# KiCad board untitled.kicad_pcb (continued)
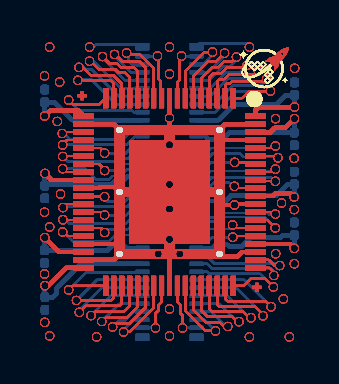
[diagram p0: board, top side]
## Routing (per net, layer and track width the routed paths; a pad name or vN(x,y) marks a point on that pad's centre or on a via; arc(x,y) is an arc through that point) (continued)
/PIN 14: length 139.8
  Top w0.1: v1(3.01,6.65) 3.01,6.7 ; v1(3.01,6.65) 3.01,6.7 ; v1(3.01,6.65) 3.01,6.7 ; v1(3.01,6.65) 3.01,6.7 ; v1(3.01,6.65) 3.01,6.7 ; v1(3.01,6.65) 3.01,6.7 ; v1(3.01,6.65) 3.01,6.7 ; v1(3.01,6.65) 3.01,6.7 ; v1(3.01,6.65) 3.01,6.7 ; v1(3.01,6.65) 3.01,6.7 ; v1(3.01,6.65) 3.01,6.7 ; v1(3.01,6.65) 3.01,6.7 ; v1(3.01,6.65) 3.01,6.7 ; v1(3.01,6.65) 3.01,6.7 ; v1(3.01,6.65) 3.01,6.7 ; v1(3.01,6.65) 3.01,6.7 ; v1(3.01,6.65) 3.01,6.7 ; v1(3.01,6.65) 3.01,6.7 ; v1(3.01,6.65) 3.01,6.7 ; v1(3.01,6.65) 3.01,6.7 ; v1(3.01,6.65) 3.01,6.7 ; v1(3.01,6.65) 3.01,6.7 ; v1(3.01,6.65) 3.01,6.7 ; v1(3.01,6.65) 3.01,6.7 ; v1(3.01,6.65) 3.01,6.7 ; v1(3.01,6.65) 3.01,6.7 ; v1(3.01,6.65) 3.01,6.7 ; v1(3.01,6.65) 3.01,6.7 ; v1(3.01,6.65) 3.01,6.7 ; v1(3.01,6.65) 3.01,6.7 ; v1(3.01,6.65) 3.01,6.7 ; v1(3.01,6.65) 3.01,6.7 ; v1(3.01,6.65) 3.01,6.7 ; v1(3.01,6.65) 3.01,6.7 ; v1(3.01,6.65) 3.01,6.7 ; v1(3.01,6.65) 3.01,6.7 ; v1(3.01,6.65) 3.01,6.7 ; v1(3.01,6.65) 3.01,6.7 ; v1(3.01,6.65) 3.01,6.7 ; v1(3.01,6.65) 3.01,6.7 ; v1(3.01,6.65) 3.01,6.7 ; v1(3.01,6.65) 3.01,6.7 ; 3.01,6.7 2.73,6.98 ; 3.01,6.7 2.73,6.98 ; 3.01,6.7 2.73,6.98 ; 3.01,6.7 2.73,6.98 ; 3.01,6.7 2.73,6.98 ; 3.01,6.7 2.73,6.98 ; 3.01,6.7 2.73,6.98 ; 3.01,6.7 2.73,6.98 ; 3.01,6.7 2.73,6.98 ; 3.01,6.7 2.73,6.98 ; 3.01,6.7 2.73,6.98 ; 3.01,6.7 2.73,6.98 ; 3.01,6.7 2.73,6.98 ; 3.01,6.7 2.73,6.98 ; 3.01,6.7 2.73,6.98 ; 3.01,6.7 2.73,6.98 ; 3.01,6.7 2.73,6.98 ; 3.01,6.7 2.73,6.98 ; 3.01,6.7 2.73,6.98 ; 3.01,6.7 2.73,6.98 ; 3.01,6.7 2.73,6.98 ; 3.01,6.7 2.73,6.98 ; 3.01,6.7 2.73,6.98 ; 3.01,6.7 2.73,6.98 ; 3.01,6.7 2.73,6.98 ; 3.01,6.7 2.73,6.98 ; 3.01,6.7 2.73,6.98 ; 3.01,6.7 2.73,6.98 ; 3.01,6.7 2.73,6.98 ; 3.01,6.7 2.73,6.98 ; 3.01,6.7 2.73,6.98 ; 3.01,6.7 2.73,6.98 ; 3.01,6.7 2.73,6.98 ; 3.01,6.7 2.73,6.98 ; 3.01,6.7 2.73,6.98 ; 3.01,6.7 2.73,6.98 ; 3.01,6.7 2.73,6.98 ; 3.01,6.7 2.73,6.98 ; 3.01,6.7 2.73,6.98 ; 3.01,6.7 2.73,6.98 ; 3.01,6.7 2.73,6.98 ; 3.01,6.7 2.73,6.98 ; 2.73,6.98 J158.24 ; 2.73,6.98 J158.24 ; 2.73,6.98 J158.24 ; 2.73,6.98 J158.24 ; 2.73,6.98 J158.24 ; 2.73,6.98 J158.24 ; 2.73,6.98 J158.24 ; 2.73,6.98 J158.24 ; 2.73,6.98 J158.24 ; 2.73,6.98 J158.24 ; 2.73,6.98 J158.24 ; 2.73,6.98 J158.24 ; 2.73,6.98 J158.24 ; 2.73,6.98 J158.24 ; 2.73,6.98 J158.24 ; 2.73,6.98 J158.24 ; 2.73,6.98 J158.24 ; 2.73,6.98 J158.24 ; 2.73,6.98 J158.24 ; 2.73,6.98 J158.24 ; 2.73,6.98 J158.24 ; 2.73,6.98 J158.24 ; 2.73,6.98 J158.24 ; 2.73,6.98 J158.24 ; 2.73,6.98 J158.24 ; 2.73,6.98 J158.24 ; 2.73,6.98 J158.24 ; 2.73,6.98 J158.24 ; 2.73,6.98 J158.24 ; 2.73,6.98 J158.24 ; 2.73,6.98 J158.24 ; 2.73,6.98 J158.24 ; 2.73,6.98 J158.24 ; 2.73,6.98 J158.24 ; 2.73,6.98 J158.24 ; 2.73,6.98 J158.24 ; 2.73,6.98 J158.24 ; 2.73,6.98 J158.24 ; 2.73,6.98 J158.24 ; 2.73,6.98 J158.24 ; 2.73,6.98 J158.24 ; 2.73,6.98 J158.24
  Bottom w0.1: 4.48,7.18 J173.57 ; 4.48,7.18 J173.57 ; 4.48,7.18 J173.57 ; 4.48,7.18 J173.57 ; 4.48,7.18 4.28,6.98 ; 4.48,7.18 J173.57 ; 4.48,7.18 4.28,6.98 ; 4.48,7.18 4.28,6.98 ; 4.48,7.18 4.28,6.98 ; 4.48,7.18 4.28,6.98 ; 4.48,7.18 J173.57 ; 4.48,7.18 J173.57 ; 4.48,7.18 4.28,6.98 ; 4.48,7.18 4.28,6.98 ; 4.48,7.18 4.28,6.98 ; 4.48,7.18 4.28,6.98 ; 4.48,7.18 J173.57 ; 4.48,7.18 J173.57 ; 4.48,7.18 4.28,6.98 ; 4.48,7.18 J173.57 ; 4.48,7.18 4.28,6.98 ; 4.48,7.18 J173.57 ; 4.48,7.18 J173.57 ; 4.48,7.18 J173.57 ; 4.48,7.18 4.28,6.98 ; 4.48,7.18 4.28,6.98 ; 4.48,7.18 4.28,6.98 ; 4.48,7.18 J173.57 ; 4.48,7.18 4.28,6.98 ; 4.48,7.18 4.28,6.98 ; 4.48,7.18 4.28,6.98 ; 4.48,7.18 J173.57 ; 4.48,7.18 J173.57 ; 4.48,7.18 4.28,6.98 ; 4.48,7.18 4.28,6.98 ; 4.48,7.18 4.28,6.98 ; 4.48,7.18 J173.57 ; 4.48,7.18 J173.57 ; 4.48,7.18 4.28,6.98 ; 4.48,7.18 J173.57 ; 4.48,7.18 4.28,6.98 ; 4.48,7.18 4.28,6.98 ; 4.48,7.18 4.28,6.98 ; 4.48,7.18 J173.57 ; 4.48,7.18 4.28,6.98 ; 4.48,7.18 4.28,6.98 ; 4.48,7.18 J173.57 ; 4.48,7.18 J173.57 ; 4.48,7.18 4.28,6.98 ; 4.48,7.18 J173.57 ; 4.48,7.18 4.28,6.98 ; 4.48,7.18 4.28,6.98 ; 4.48,7.18 4.28,6.98 ; 4.48,7.18 J173.57 ; 4.48,7.18 4.28,6.98 ; 4.48,7.18 4.28,6.98 ; 4.48,7.18 J173.57 ; 4.48,7.18 J173.57 ; 4.48,7.18 4.28,6.98 ; 4.48,7.18 4.28,6.98 ; 4.48,7.18 J173.57 ; 4.48,7.18 J173.57 ; 4.48,7.18 J173.57 ; 4.48,7.18 J173.57 ; 4.48,7.18 4.28,6.98 ; 4.48,7.18 4.28,6.98 ; 4.48,7.18 4.28,6.98 ; 4.48,7.18 J173.57 ; 4.48,7.18 4.28,6.98 ; 4.48,7.18 4.28,6.98 ; 4.48,7.18 J173.57 ; 4.48,7.18 J173.57 ; 4.48,7.18 J173.57 ; 4.48,7.18 4.28,6.98 ; 4.48,7.18 J173.57 ; 4.48,7.18 4.28,6.98 ; 4.48,7.18 J173.57 ; 4.48,7.18 4.28,6.98 ; 4.48,7.18 J173.57 ; 4.48,7.18 J173.57 ; 4.48,7.18 J173.57 ; 4.48,7.18 J173.57 ; 4.48,7.18 J173.57 ; 4.48,7.18 J173.57 ; 4.01,6.98 4.28,6.98 ; 4.01,6.98 3.68,6.65 ; 4.01,6.98 4.28,6.98 ; 4.01,6.98 3.68,6.65 ; 4.01,6.98 3.68,6.65 ; 4.01,6.98 3.68,6.65 ; 4.01,6.98 4.28,6.98 ; 4.01,6.98 3.68,6.65 ; 4.01,6.98 4.28,6.98 ; 4.01,6.98 3.68,6.65 ; 4.01,6.98 4.28,6.98 ; 4.01,6.98 3.68,6.65 ; 4.01,6.98 4.28,6.98 ; 4.01,6.98 3.68,6.65 ; 4.01,6.98 3.68,6.65 ; 4.01,6.98 3.68,6.65 ; 4.01,6.98 3.68,6.65 ; 4.01,6.98 4.28,6.98 ; 4.01,6.98 3.68,6.65 ; 4.01,6.98 3.68,6.65 ; 4.01,6.98 4.28,6.98 ; 4.01,6.98 4.28,6.98 ; 4.01,6.98 4.28,6.98 ; 4.01,6.98 3.68,6.65 ; 4.01,6.98 3.68,6.65 ; 4.01,6.98 3.68,6.65 ; 4.01,6.98 4.28,6.98 ; 4.01,6.98 4.28,6.98 ; 4.01,6.98 4.28,6.98 ; 4.01,6.98 3.68,6.65 ; 4.01,6.98 3.68,6.65 ; 4.01,6.98 4.28,6.98 ; 4.01,6.98 4.28,6.98 ; 4.01,6.98 3.68,6.65 ; 4.01,6.98 4.28,6.98 ; 4.01,6.98 3.68,6.65 ; 4.01,6.98 4.28,6.98 ; 4.01,6.98 3.68,6.65 ; 4.01,6.98 3.68,6.65 ; 4.01,6.98 4.28,6.98 ; 4.01,6.98 4.28,6.98 ; 4.01,6.98 3.68,6.65 ; 4.01,6.98 3.68,6.65 ; 4.01,6.98 3.68,6.65 ; 4.01,6.98 4.28,6.98 ; 4.01,6.98 4.28,6.98 ; 4.01,6.98 4.28,6.98 ; 4.01,6.98 4.28,6.98 ; 4.01,6.98 4.28,6.98 ; 4.01,6.98 3.68,6.65 ; 4.01,6.98 3.68,6.65 ; 4.01,6.98 4.28,6.98 ; 4.01,6.98 3.68,6.65 ; 4.01,6.98 4.28,6.98 ; 4.01,6.98 3.68,6.65 ; 4.01,6.98 3.68,6.65 ; 4.01,6.98 3.68,6.65 ; 4.01,6.98 4.28,6.98 ; 4.01,6.98 3.68,6.65 ; 4.01,6.98 3.68,6.65 ; 4.01,6.98 4.28,6.98 ; 4.01,6.98 3.68,6.65 ; 4.01,6.98 3.68,6.65 ; 4.01,6.98 4.28,6.98 ; 4.01,6.98 4.28,6.98 ; 4.01,6.98 3.68,6.65 ; 4.01,6.98 4.28,6.98 ; 4.01,6.98 4.28,6.98 ; 4.01,6.98 4.28,6.98 ; 4.01,6.98 4.28,6.98 ; 4.01,6.98 3.68,6.65 ; 4.01,6.98 4.28,6.98 ; 4.01,6.98 4.28,6.98 ; 4.01,6.98 3.68,6.65 ; 4.01,6.98 4.28,6.98 ; 4.01,6.98 3.68,6.65 ; 4.01,6.98 4.28,6.98 ; 4.01,6.98 4.28,6.98 ; 4.01,6.98 3.68,6.65 ; 4.01,6.98 4.28,6.98 ; 4.01,6.98 3.68,6.65 ; 4.01,6.98 4.28,6.98 ; 4.01,6.98 3.68,6.65 ; 4.01,6.98 4.28,6.98 ; v1(3.01,6.65) 3.68,6.65 ; v1(3.01,6.65) 3.68,6.65 ; v1(3.01,6.65) 3.68,6.65 ; v1(3.01,6.65) 3.68,6.65 ; v1(3.01,6.65) 3.68,6.65 ; v1(3.01,6.65) 3.68,6.65 ; v1(3.01,6.65) 3.68,6.65 ; v1(3.01,6.65) 3.68,6.65 ; v1(3.01,6.65) 3.68,6.65 ; v1(3.01,6.65) 3.68,6.65 ; v1(3.01,6.65) 3.68,6.65 ; v1(3.01,6.65) 3.68,6.65 ; v1(3.01,6.65) 3.68,6.65 ; v1(3.01,6.65) 3.68,6.65 ; v1(3.01,6.65) 3.68,6.65 ; v1(3.01,6.65) 3.68,6.65 ; v1(3.01,6.65) 3.68,6.65 ; v1(3.01,6.65) 3.68,6.65 ; v1(3.01,6.65) 3.68,6.65 ; v1(3.01,6.65) 3.68,6.65 ; v1(3.01,6.65) 3.68,6.65 ; v1(3.01,6.65) 3.68,6.65 ; v1(3.01,6.65) 3.68,6.65 ; v1(3.01,6.65) 3.68,6.65 ; v1(3.01,6.65) 3.68,6.65 ; v1(3.01,6.65) 3.68,6.65 ; v1(3.01,6.65) 3.68,6.65 ; v1(3.01,6.65) 3.68,6.65 ; v1(3.01,6.65) 3.68,6.65 ; v1(3.01,6.65) 3.68,6.65 ; v1(3.01,6.65) 3.68,6.65 ; v1(3.01,6.65) 3.68,6.65 ; v1(3.01,6.65) 3.68,6.65 ; v1(3.01,6.65) 3.68,6.65 ; v1(3.01,6.65) 3.68,6.65 ; v1(3.01,6.65) 3.68,6.65 ; v1(3.01,6.65) 3.68,6.65 ; v1(3.01,6.65) 3.68,6.65 ; v1(3.01,6.65) 3.68,6.65 ; v1(3.01,6.65) 3.68,6.65 ; v1(3.01,6.65) 3.68,6.65 ; v1(3.01,6.65) 3.68,6.65
/PIN 15: length 233.9
  Top w0.1: v1(0.91,6.75) 1.08,6.58 ; v1(0.91,6.75) 1.08,6.58 ; v1(0.91,6.75) 1.08,6.58 ; v1(0.91,6.75) 1.08,6.58 ; v1(0.91,6.75) 1.08,6.58 ; v1(0.91,6.75) 1.08,6.58 ; v1(0.91,6.75) 1.08,6.58 ; v1(0.91,6.75) 1.08,6.58 ; v1(0.91,6.75) 1.08,6.58 ; v1(0.91,6.75) 1.08,6.58 ; v1(0.91,6.75) 1.08,6.58 ; v1(0.91,6.75) 1.08,6.58 ; v1(0.91,6.75) 1.08,6.58 ; v1(0.91,6.75) 1.08,6.58 ; v1(0.91,6.75) 1.08,6.58 ; v1(0.91,6.75) 1.08,6.58 ; v1(0.91,6.75) 1.08,6.58 ; v1(0.91,6.75) 1.08,6.58 ; v1(0.91,6.75) 1.08,6.58 ; v1(0.91,6.75) 1.08,6.58 ; v1(0.91,6.75) 1.08,6.58 ; v1(0.91,6.75) 1.08,6.58 ; v1(0.91,6.75) 1.08,6.58 ; v1(0.91,6.75) 1.08,6.58 ; v1(0.91,6.75) 1.08,6.58 ; v1(0.91,6.75) 1.08,6.58 ; v1(0.91,6.75) 1.08,6.58 ; v1(0.91,6.75) 1.08,6.58 ; v1(0.91,6.75) 1.08,6.58 ; v1(0.91,6.75) 1.08,6.58 ; v1(0.91,6.75) 1.08,6.58 ; v1(0.91,6.75) 1.08,6.58 ; v1(0.91,6.75) 1.08,6.58 ; v1(0.91,6.75) 1.08,6.58 ; v1(0.91,6.75) 1.08,6.58 ; v1(0.91,6.75) 1.08,6.58 ; v1(0.91,6.75) 1.08,6.58 ; v1(0.91,6.75) 1.08,6.58 ; v1(0.91,6.75) 1.08,6.58 ; v1(0.91,6.75) 1.08,6.58 ; v1(0.91,6.75) 1.08,6.58 ; v1(0.91,6.75) 1.08,6.58 ; 1.08,6.58 J158.25 ; 1.08,6.58 J158.25 ; 1.08,6.58 J158.25 ; 1.08,6.58 J158.25 ; 1.08,6.58 J158.25 ; 1.08,6.58 J158.25 ; 1.08,6.58 J158.25 ; 1.08,6.58 J158.25 ; 1.08,6.58 J158.25 ; 1.08,6.58 J158.25 ; 1.08,6.58 J158.25 ; 1.08,6.58 J158.25 ; 1.08,6.58 J158.25 ; 1.08,6.58 J158.25 ; 1.08,6.58 J158.25 ; 1.08,6.58 J158.25 ; 1.08,6.58 J158.25 ; 1.08,6.58 J158.25 ; 1.08,6.58 J158.25 ; 1.08,6.58 J158.25 ; 1.08,6.58 J158.25 ; 1.08,6.58 J158.25 ; 1.08,6.58 J158.25 ; 1.08,6.58 J158.25 ; 1.08,6.58 J158.25 ; 1.08,6.58 J158.25 ; 1.08,6.58 J158.25 ; 1.08,6.58 J158.25 ; 1.08,6.58 J158.25 ; 1.08,6.58 J158.25 ; 1.08,6.58 J158.25 ; 1.08,6.58 J158.25 ; 1.08,6.58 J158.25 ; 1.08,6.58 J158.25 ; 1.08,6.58 J158.25 ; 1.08,6.58 J158.25 ; 1.08,6.58 J158.25 ; 1.08,6.58 J158.25 ; 1.08,6.58 J158.25 ; 1.08,6.58 J158.25 ; 1.08,6.58 J158.25 ; 1.08,6.58 J158.25
  Bottom w0.1: 1.08,6.75 2.04,6.75 ; 1.08,6.75 2.04,6.75 ; 1.08,6.75 2.04,6.75 ; 1.08,6.75 v1(0.91,6.75) ; 1.08,6.75 2.04,6.75 ; 1.08,6.75 2.04,6.75 ; 1.08,6.75 v1(0.91,6.75) ; 1.08,6.75 v1(0.91,6.75) ; 1.08,6.75 v1(0.91,6.75) ; 1.08,6.75 2.04,6.75 ; 1.08,6.75 2.04,6.75 ; 1.08,6.75 2.04,6.75 ; 1.08,6.75 2.04,6.75 ; 1.08,6.75 2.04,6.75 ; 1.08,6.75 2.04,6.75 ; 1.08,6.75 2.04,6.75 ; 1.08,6.75 v1(0.91,6.75) ; 1.08,6.75 2.04,6.75 ; 1.08,6.75 v1(0.91,6.75) ; 1.08,6.75 v1(0.91,6.75) ; 1.08,6.75 v1(0.91,6.75) ; 1.08,6.75 2.04,6.75 ; 1.08,6.75 2.04,6.75 ; 1.08,6.75 v1(0.91,6.75) ; 1.08,6.75 2.04,6.75 ; 1.08,6.75 2.04,6.75 ; 1.08,6.75 v1(0.91,6.75) ; 1.08,6.75 v1(0.91,6.75) ; 1.08,6.75 v1(0.91,6.75) ; 1.08,6.75 v1(0.91,6.75) ; 1.08,6.75 v1(0.91,6.75) ; 1.08,6.75 v1(0.91,6.75) ; 1.08,6.75 2.04,6.75 ; 1.08,6.75 v1(0.91,6.75) ; 1.08,6.75 2.04,6.75 ; 1.08,6.75 2.04,6.75 ; 1.08,6.75 2.04,6.75 ; 1.08,6.75 2.04,6.75 ; 1.08,6.75 2.04,6.75 ; 1.08,6.75 2.04,6.75 ; 1.08,6.75 2.04,6.75 ; 1.08,6.75 v1(0.91,6.75) ; 1.08,6.75 v1(0.91,6.75) ; 1.08,6.75 v1(0.91,6.75) ; 1.08,6.75 v1(0.91,6.75) ; 1.08,6.75 v1(0.91,6.75) ; 1.08,6.75 v1(0.91,6.75) ; 1.08,6.75 2.04,6.75 ; 1.08,6.75 v1(0.91,6.75) ; 1.08,6.75 2.04,6.75 ; 1.08,6.75 2.04,6.75 ; 1.08,6.75 v1(0.91,6.75) ; 1.08,6.75 v1(0.91,6.75) ; 1.08,6.75 v1(0.91,6.75) ; 1.08,6.75 2.04,6.75 ; 1.08,6.75 v1(0.91,6.75) ; 1.08,6.75 v1(0.91,6.75) ; 1.08,6.75 2.04,6.75 ; 1.08,6.75 v1(0.91,6.75) ; 1.08,6.75 2.04,6.75 ; 1.08,6.75 2.04,6.75 ; 1.08,6.75 2.04,6.75 ; 1.08,6.75 2.04,6.75 ; 1.08,6.75 2.04,6.75 ; 1.08,6.75 2.04,6.75 ; 1.08,6.75 v1(0.91,6.75) ; 1.08,6.75 v1(0.91,6.75) ; 1.08,6.75 2.04,6.75 ; 1.08,6.75 2.04,6.75 ; 1.08,6.75 v1(0.91,6.75) ; 1.08,6.75 v1(0.91,6.75) ; 1.08,6.75 2.04,6.75 ; 1.08,6.75 v1(0.91,6.75) ; 1.08,6.75 2.04,6.75 ; 1.08,6.75 2.04,6.75 ; 1.08,6.75 v1(0.91,6.75) ; 1.08,6.75 v1(0.91,6.75) ; 1.08,6.75 v1(0.91,6.75) ; 1.08,6.75 v1(0.91,6.75) ; 1.08,6.75 v1(0.91,6.75) ; 1.08,6.75 v1(0.91,6.75) ; 1.08,6.75 v1(0.91,6.75) ; 1.08,6.75 2.04,6.75 ; 1.08,6.75 v1(0.91,6.75) ; 2.04,6.75 2.57,6.22 ; 2.04,6.75 2.57,6.22 ; 2.04,6.75 2.57,6.22 ; 2.04,6.75 2.57,6.22 ; 2.04,6.75 2.57,6.22 ; 2.04,6.75 2.57,6.22 ; 2.04,6.75 2.57,6.22 ; 2.04,6.75 2.57,6.22 ; 2.04,6.75 2.57,6.22 ; 2.04,6.75 2.57,6.22 ; 2.04,6.75 2.57,6.22 ; 2.04,6.75 2.57,6.22 ; 2.04,6.75 2.57,6.22 ; 2.04,6.75 2.57,6.22 ; 2.04,6.75 2.57,6.22 ; 2.04,6.75 2.57,6.22 ; 2.04,6.75 2.57,6.22 ; 2.04,6.75 2.57,6.22 ; 2.04,6.75 2.57,6.22 ; 2.04,6.75 2.57,6.22 ; 2.04,6.75 2.57,6.22 ; 2.04,6.75 2.57,6.22 ; 2.04,6.75 2.57,6.22 ; 2.04,6.75 2.57,6.22 ; 2.04,6.75 2.57,6.22 ; 2.04,6.75 2.57,6.22 ; 2.04,6.75 2.57,6.22 ; 2.04,6.75 2.57,6.22 ; 2.04,6.75 2.57,6.22 ; 2.04,6.75 2.57,6.22 ; 2.04,6.75 2.57,6.22 ; 2.04,6.75 2.57,6.22 ; 2.04,6.75 2.57,6.22 ; 2.04,6.75 2.57,6.22 ; 2.04,6.75 2.57,6.22 ; 2.04,6.75 2.57,6.22 ; 2.04,6.75 2.57,6.22 ; 2.04,6.75 2.57,6.22 ; 2.04,6.75 2.57,6.22 ; 2.04,6.75 2.57,6.22 ; 2.04,6.75 2.57,6.22 ; 2.04,6.75 2.57,6.22 ; 3.25,6.22 3.41,6.38 ; 3.25,6.22 2.57,6.22 ; 3.25,6.22 2.57,6.22 ; 3.25,6.22 2.57,6.22 ; 3.25,6.22 2.57,6.22 ; 3.25,6.22 2.57,6.22 ; 3.25,6.22 3.41,6.38 ; 3.25,6.22 2.57,6.22 ; 3.25,6.22 2.57,6.22 ; 3.25,6.22 3.41,6.38 ; 3.25,6.22 3.41,6.38 ; 3.25,6.22 2.57,6.22 ; 3.25,6.22 3.41,6.38 ; 3.25,6.22 3.41,6.38 ; 3.25,6.22 3.41,6.38 ; 3.25,6.22 3.41,6.38 ; 3.25,6.22 3.41,6.38 ; 3.25,6.22 3.41,6.38 ; 3.25,6.22 3.41,6.38 ; 3.25,6.22 3.41,6.38 ; 3.25,6.22 3.41,6.38 ; 3.25,6.22 2.57,6.22 ; 3.25,6.22 2.57,6.22 ; 3.25,6.22 3.41,6.38 ; 3.25,6.22 2.57,6.22 ; 3.25,6.22 2.57,6.22 ; 3.25,6.22 3.41,6.38 ; 3.25,6.22 3.41,6.38 ; 3.25,6.22 3.41,6.38 ; 3.25,6.22 2.57,6.22 ; 3.25,6.22 2.57,6.22 ; 3.25,6.22 3.41,6.38 ; 3.25,6.22 2.57,6.22 ; 3.25,6.22 2.57,6.22 ; 3.25,6.22 2.57,6.22 ; 3.25,6.22 3.41,6.38 ; 3.25,6.22 2.57,6.22 ; 3.25,6.22 2.57,6.22 ; 3.25,6.22 2.57,6.22 ; 3.25,6.22 3.41,6.38 ; 3.25,6.22 3.41,6.38 ; 3.25,6.22 3.41,6.38 ; 3.25,6.22 2.57,6.22 ; 3.25,6.22 2.57,6.22 ; 3.25,6.22 3.41,6.38 ; 3.25,6.22 2.57,6.22 ; 3.25,6.22 3.41,6.38 ; 3.25,6.22 2.57,6.22 ; 3.25,6.22 3.41,6.38 ; 3.25,6.22 2.57,6.22 ; 3.25,6.22 2.57,6.22 ; 3.25,6.22 3.41,6.38 ; 3.25,6.22 3.41,6.38 ; 3.25,6.22 2.57,6.22 ; 3.25,6.22 2.57,6.22 ; 3.25,6.22 2.57,6.22 ; 3.25,6.22 3.41,6.38 ; 3.25,6.22 2.57,6.22 ; 3.25,6.22 3.41,6.38 ; 3.25,6.22 3.41,6.38 ; 3.25,6.22 3.41,6.38 ; 3.25,6.22 2.57,6.22 ; 3.25,6.22 2.57,6.22 ; 3.25,6.22 2.57,6.22 ; 3.25,6.22 2.57,6.22 ; 3.25,6.22 3.41,6.38 ; 3.25,6.22 3.41,6.38 ; 3.25,6.22 2.57,6.22 ; 3.25,6.22 2.57,6.22 ; 3.25,6.22 3.41,6.38 ; 3.25,6.22 3.41,6.38 ; 3.25,6.22 3.41,6.38 ; 3.25,6.22 2.57,6.22 ; 3.25,6.22 2.57,6.22 ; 3.25,6.22 3.41,6.38 ; 3.25,6.22 2.57,6.22 ; 3.25,6.22 2.57,6.22 ; 3.25,6.22 3.41,6.38 ; 3.25,6.22 3.41,6.38 ; 3.25,6.22 3.41,6.38 ; 3.25,6.22 2.57,6.22 ; 3.25,6.22 3.41,6.38 ; 3.25,6.22 2.57,6.22 ; 3.25,6.22 3.41,6.38 ; 3.41,6.38 3.81,6.38 ; 3.41,6.38 3.81,6.38 ; 3.41,6.38 3.81,6.38 ; 3.41,6.38 3.81,6.38 ; 3.41,6.38 3.81,6.38 ; 3.41,6.38 3.81,6.38 ; 3.41,6.38 3.81,6.38 ; 3.41,6.38 3.81,6.38 ; 3.41,6.38 3.81,6.38 ; 3.41,6.38 3.81,6.38 ; 3.41,6.38 3.81,6.38 ; 3.41,6.38 3.81,6.38 ; 3.41,6.38 3.81,6.38 ; 3.41,6.38 3.81,6.38 ; 3.41,6.38 3.81,6.38 ; 3.41,6.38 3.81,6.38 ; 3.41,6.38 3.81,6.38 ; 3.41,6.38 3.81,6.38 ; 3.41,6.38 3.81,6.38 ; 3.41,6.38 3.81,6.38 ; 3.41,6.38 3.81,6.38 ; 3.41,6.38 3.81,6.38 ; 3.41,6.38 3.81,6.38 ; 3.41,6.38 3.81,6.38 ; 3.41,6.38 3.81,6.38 ; 3.41,6.38 3.81,6.38 ; 3.41,6.38 3.81,6.38 ; 3.41,6.38 3.81,6.38 ; 3.41,6.38 3.81,6.38 ; 3.41,6.38 3.81,6.38 ; 3.41,6.38 3.81,6.38 ; 3.41,6.38 3.81,6.38 ; 3.41,6.38 3.81,6.38 ; 3.41,6.38 3.81,6.38 ; 3.41,6.38 3.81,6.38 ; 3.41,6.38 3.81,6.38 ; 3.41,6.38 3.81,6.38 ; 3.41,6.38 3.81,6.38 ; 3.41,6.38 3.81,6.38 ; 3.41,6.38 3.81,6.38 ; 3.41,6.38 3.81,6.38 ; 3.41,6.38 3.81,6.38 ; 4.15,6.72 4.39,6.72 ; 4.15,6.72 4.39,6.72 ; 4.15,6.72 3.81,6.38 ; 4.15,6.72 3.81,6.38 ; 4.15,6.72 4.39,6.72 ; 4.15,6.72 4.39,6.72 ; 4.15,6.72 3.81,6.38 ; 4.15,6.72 3.81,6.38 ; 4.15,6.72 3.81,6.38 ; 4.15,6.72 3.81,6.38 ; 4.15,6.72 3.81,6.38 ; 4.15,6.72 4.39,6.72 ; 4.15,6.72 4.39,6.72 ; 4.15,6.72 3.81,6.38 ; 4.15,6.72 3.81,6.38 ; 4.15,6.72 3.81,6.38 ; 4.15,6.72 4.39,6.72 ; 4.15,6.72 3.81,6.38 ; 4.15,6.72 3.81,6.38 ; 4.15,6.72 4.39,6.72 ; 4.15,6.72 4.39,6.72 ; 4.15,6.72 3.81,6.38 ; 4.15,6.72 3.81,6.38 ; 4.15,6.72 4.39,6.72 ; 4.15,6.72 4.39,6.72 ; 4.15,6.72 3.81,6.38 ; 4.15,6.72 3.81,6.38 ; 4.15,6.72 3.81,6.38 ; 4.15,6.72 3.81,6.38 ; 4.15,6.72 4.39,6.72 ; 4.15,6.72 4.39,6.72 ; 4.15,6.72 4.39,6.72 ; 4.15,6.72 4.39,6.72 ; 4.15,6.72 4.39,6.72 ; 4.15,6.72 3.81,6.38 ; 4.15,6.72 3.81,6.38 ; 4.15,6.72 4.39,6.72 ; 4.15,6.72 4.39,6.72 ; 4.15,6.72 4.39,6.72 ; 4.15,6.72 4.39,6.72 ; 4.15,6.72 4.39,6.72 ; 4.15,6.72 4.39,6.72 ; 4.15,6.72 3.81,6.38 ; 4.15,6.72 3.81,6.38 ; 4.15,6.72 4.39,6.72 ; 4.15,6.72 3.81,6.38 ; 4.15,6.72 3.81,6.38 ; 4.15,6.72 3.81,6.38 ; 4.15,6.72 4.39,6.72 ; 4.15,6.72 3.81,6.38 ; 4.15,6.72 4.39,6.72 ; 4.15,6.72 4.39,6.72 ; 4.15,6.72 3.81,6.38 ; 4.15,6.72 4.39,6.72 ; 4.15,6.72 3.81,6.38 ; 4.15,6.72 4.39,6.72 ; 4.15,6.72 3.81,6.38 ; 4.15,6.72 3.81,6.38 ; 4.15,6.72 4.39,6.72 ; 4.15,6.72 3.81,6.38 ; 4.15,6.72 4.39,6.72 ; 4.15,6.72 3.81,6.38 ; 4.15,6.72 3.81,6.38 ; 4.15,6.72 3.81,6.38 ; 4.15,6.72 4.39,6.72 ; 4.15,6.72 4.39,6.72 ; 4.15,6.72 3.81,6.38 ; 4.15,6.72 3.81,6.38 ; 4.15,6.72 3.81,6.38 ; 4.15,6.72 4.39,6.72 ; 4.15,6.72 4.39,6.72 ; 4.15,6.72 4.39,6.72 ; 4.15,6.72 3.81,6.38 ; 4.15,6.72 4.39,6.72 ; 4.15,6.72 3.81,6.38 ; 4.15,6.72 4.39,6.72 ; 4.15,6.72 4.39,6.72 ; 4.15,6.72 4.39,6.72 ; 4.15,6.72 3.81,6.38 ; 4.15,6.72 3.81,6.38 ; 4.15,6.72 4.39,6.72 ; 4.15,6.72 4.39,6.72 ; 4.15,6.72 3.81,6.38 ; 4.15,6.72 4.39,6.72 ; 4.39,6.72 4.45,6.78 ; 4.39,6.72 4.45,6.78 ; 4.39,6.72 4.45,6.78 ; 4.39,6.72 4.45,6.78 ; 4.39,6.72 4.45,6.78 ; 4.39,6.72 4.45,6.78 ; 4.39,6.72 4.45,6.78 ; 4.39,6.72 4.45,6.78 ; 4.39,6.72 4.45,6.78 ; 4.39,6.72 4.45,6.78 ; 4.39,6.72 4.45,6.78 ; 4.39,6.72 4.45,6.78 ; 4.39,6.72 4.45,6.78 ; 4.39,6.72 4.45,6.78 ; 4.39,6.72 4.45,6.78 ; 4.39,6.72 4.45,6.78 ; 4.39,6.72 4.45,6.78 ; 4.39,6.72 4.45,6.78 ; 4.39,6.72 4.45,6.78 ; 4.39,6.72 4.45,6.78 ; 4.39,6.72 4.45,6.78 ; 4.39,6.72 4.45,6.78 ; 4.39,6.72 4.45,6.78 ; 4.39,6.72 4.45,6.78 ; 4.39,6.72 4.45,6.78 ; 4.39,6.72 4.45,6.78 ; 4.39,6.72 4.45,6.78 ; 4.39,6.72 4.45,6.78 ; 4.39,6.72 4.45,6.78 ; 4.39,6.72 4.45,6.78 ; 4.39,6.72 4.45,6.78 ; 4.39,6.72 4.45,6.78 ; 4.39,6.72 4.45,6.78 ; 4.39,6.72 4.45,6.78 ; 4.39,6.72 4.45,6.78 ; 4.39,6.72 4.45,6.78 ; 4.39,6.72 4.45,6.78 ; 4.39,6.72 4.45,6.78 ; 4.39,6.72 4.45,6.78 ; 4.39,6.72 4.45,6.78 ; 4.39,6.72 4.45,6.78 ; 4.39,6.72 4.45,6.78 ; 4.45,6.78 J173.56 ; 4.45,6.78 J173.56 ; 4.45,6.78 J173.56 ; 4.45,6.78 J173.56 ; 4.45,6.78 J173.56 ; 4.45,6.78 J173.56 ; 4.45,6.78 J173.56 ; 4.45,6.78 J173.56 ; 4.45,6.78 J173.56 ; 4.45,6.78 J173.56 ; 4.45,6.78 J173.56 ; 4.45,6.78 J173.56 ; 4.45,6.78 J173.56 ; 4.45,6.78 J173.56 ; 4.45,6.78 J173.56 ; 4.45,6.78 J173.56 ; 4.45,6.78 J173.56 ; 4.45,6.78 J173.56 ; 4.45,6.78 J173.56 ; 4.45,6.78 J173.56 ; 4.45,6.78 J173.56 ; 4.45,6.78 J173.56 ; 4.45,6.78 J173.56 ; 4.45,6.78 J173.56 ; 4.45,6.78 J173.56 ; 4.45,6.78 J173.56 ; 4.45,6.78 J173.56 ; 4.45,6.78 J173.56 ; 4.45,6.78 J173.56 ; 4.45,6.78 J173.56 ; 4.45,6.78 J173.56 ; 4.45,6.78 J173.56 ; 4.45,6.78 J173.56 ; 4.45,6.78 J173.56 ; 4.45,6.78 J173.56 ; 4.45,6.78 J173.56 ; 4.45,6.78 J173.56 ; 4.45,6.78 J173.56 ; 4.45,6.78 J173.56 ; 4.45,6.78 J173.56 ; 4.45,6.78 J173.56 ; 4.45,6.78 J173.56
/PIN 16: length 327
  Top w0.2: v1(0.02,6.51) 0.35,6.18 ; v1(0.02,6.51) 0.35,6.18 ; v1(0.02,6.51) 0.35,6.18 ; v1(0.02,6.51) 0.35,6.18 ; v1(0.02,6.51) 0.35,6.18 ; v1(0.02,6.51) 0.35,6.18 ; v1(0.02,6.51) 0.35,6.18 ; v1(0.02,6.51) 0.35,6.18 ; v1(0.02,6.51) 0.35,6.18 ; v1(0.02,6.51) 0.35,6.18 ; v1(0.02,6.51) 0.35,6.18 ; v1(0.02,6.51) 0.35,6.18 ; v1(0.02,6.51) 0.35,6.18 ; v1(0.02,6.51) 0.35,6.18 ; v1(0.02,6.51) 0.35,6.18 ; v1(0.02,6.51) 0.35,6.18 ; v1(0.02,6.51) 0.35,6.18 ; v1(0.02,6.51) 0.35,6.18 ; v1(0.02,6.51) 0.35,6.18 ; v1(0.02,6.51) 0.35,6.18 ; v1(0.02,6.51) 0.35,6.18 ; v1(0.02,6.51) 0.35,6.18 ; v1(0.02,6.51) 0.35,6.18 ; v1(0.02,6.51) 0.35,6.18 ; v1(0.02,6.51) 0.35,6.18 ; v1(0.02,6.51) 0.35,6.18 ; v1(0.02,6.51) 0.35,6.18 ; v1(0.02,6.51) 0.35,6.18 ; v1(0.02,6.51) 0.35,6.18 ; v1(0.02,6.51) 0.35,6.18 ; v1(0.02,6.51) 0.35,6.18 ; v1(0.02,6.51) 0.35,6.18 ; v1(0.02,6.51) 0.35,6.18 ; v1(0.02,6.51) 0.35,6.18 ; v1(0.02,6.51) 0.35,6.18 ; v1(0.02,6.51) 0.35,6.18 ; v1(0.02,6.51) 0.35,6.18 ; v1(0.02,6.51) 0.35,6.18 ; v1(0.02,6.51) 0.35,6.18 ; v1(0.02,6.51) 0.35,6.18 ; v1(0.02,6.51) 0.35,6.18 ; v1(0.02,6.51) 0.35,6.18 ; 0.35,6.18 J158.26 ; 0.35,6.18 J158.26 ; 0.35,6.18 J158.26 ; 0.35,6.18 J158.26 ; 0.35,6.18 J158.26 ; 0.35,6.18 J158.26 ; 0.35,6.18 J158.26 ; 0.35,6.18 J158.26 ; 0.35,6.18 J158.26 ; 0.35,6.18 J158.26 ; 0.35,6.18 J158.26 ; 0.35,6.18 J158.26 ; 0.35,6.18 J158.26 ; 0.35,6.18 J158.26 ; 0.35,6.18 J158.26 ; 0.35,6.18 J158.26 ; 0.35,6.18 J158.26 ; 0.35,6.18 J158.26 ; 0.35,6.18 J158.26 ; 0.35,6.18 J158.26 ; 0.35,6.18 J158.26 ; 0.35,6.18 J158.26 ; 0.35,6.18 J158.26 ; 0.35,6.18 J158.26 ; 0.35,6.18 J158.26 ; 0.35,6.18 J158.26 ; 0.35,6.18 J158.26 ; 0.35,6.18 J158.26 ; 0.35,6.18 J158.26 ; 0.35,6.18 J158.26 ; 0.35,6.18 J158.26 ; 0.35,6.18 J158.26 ; 0.35,6.18 J158.26 ; 0.35,6.18 J158.26 ; 0.35,6.18 J158.26 ; 0.35,6.18 J158.26 ; 0.35,6.18 J158.26 ; 0.35,6.18 J158.26 ; 0.35,6.18 J158.26 ; 0.35,6.18 J158.26 ; 0.35,6.18 J158.26 ; 0.35,6.18 J158.26
  Bottom w0.2: 0.01,5.9 0.01,6.5 ; 0.01,5.9 0.01,6.5 ; 0.01,5.9 0.01,6.5 ; 0.01,5.9 0.06,5.95 ; 0.01,5.9 0.01,6.5 ; 0.01,5.9 0.01,6.5 ; 0.01,5.9 0.06,5.95 ; 0.01,5.9 0.06,5.95 ; 0.01,5.9 0.01,6.5 ; 0.01,5.9 0.06,5.95 ; 0.01,5.9 0.01,6.5 ; 0.01,5.9 0.06,5.95 ; 0.01,5.9 0.06,5.95 ; 0.01,5.9 0.06,5.95 ; 0.01,5.9 0.06,5.95 ; 0.01,5.9 0.01,6.5 ; 0.01,5.9 0.06,5.95 ; 0.01,5.9 0.01,6.5 ; 0.01,5.9 0.06,5.95 ; 0.01,5.9 0.06,5.95 ; 0.01,5.9 0.06,5.95 ; 0.01,5.9 0.01,6.5 ; 0.01,5.9 0.06,5.95 ; 0.01,5.9 0.06,5.95 ; 0.01,5.9 0.06,5.95 ; 0.01,5.9 0.01,6.5 ; 0.01,5.9 0.01,6.5 ; 0.01,5.9 0.06,5.95 ; 0.01,5.9 0.06,5.95 ; 0.01,5.9 0.06,5.95 ; 0.01,5.9 0.01,6.5 ; 0.01,5.9 0.01,6.5 ; 0.01,5.9 0.01,6.5 ; 0.01,5.9 0.06,5.95 ; 0.01,5.9 0.01,6.5 ; 0.01,5.9 0.06,5.95 ; 0.01,5.9 0.01,6.5 ; 0.01,5.9 0.06,5.95 ; 0.01,5.9 0.01,6.5 ; 0.01,5.9 0.06,5.95 ; 0.01,5.9 0.06,5.95 ; 0.01,5.9 0.06,5.95 ; 0.01,5.9 0.06,5.95 ; 0.01,5.9 0.01,6.5 ; 0.01,5.9 0.01,6.5 ; 0.01,5.9 0.06,5.95 ; 0.01,5.9 0.01,6.5 ; 0.01,5.9 0.06,5.95 ; 0.01,5.9 0.01,6.5 ; 0.01,5.9 0.01,6.5 ; 0.01,5.9 0.01,6.5 ; 0.01,5.9 0.01,6.5 ; 0.01,5.9 0.01,6.5 ; 0.01,5.9 0.06,5.95 ; 0.01,5.9 0.01,6.5 ; 0.01,5.9 0.01,6.5 ; 0.01,5.9 0.06,5.95 ; 0.01,5.9 0.01,6.5 ; 0.01,5.9 0.01,6.5 ; 0.01,5.9 0.01,6.5 ; 0.01,5.9 0.06,5.95 ; 0.01,5.9 0.06,5.95 ; 0.01,5.9 0.06,5.95 ; 0.01,5.9 0.06,5.95 ; 0.01,5.9 0.01,6.5 ; 0.01,5.9 0.01,6.5 ; 0.01,5.9 0.06,5.95 ; 0.01,5.9 0.01,6.5 ; 0.01,5.9 0.06,5.95 ; 0.01,5.9 0.01,6.5 ; 0.01,5.9 0.06,5.95 ; 0.01,5.9 0.01,6.5 ; 0.01,5.9 0.01,6.5 ; 0.01,5.9 0.06,5.95 ; 0.01,5.9 0.06,5.95 ; 0.01,5.9 0.01,6.5 ; 0.01,5.9 0.06,5.95 ; 0.01,5.9 0.06,5.95 ; 0.01,5.9 0.01,6.5 ; 0.01,5.9 0.06,5.95 ; 0.01,5.9 0.06,5.95 ; 0.01,5.9 0.01,6.5 ; 0.01,5.9 0.01,6.5 ; 0.01,5.9 0.01,6.5 ; 0.01,6.5 v1(0.02,6.51) ; 0.01,6.5 v1(0.02,6.51) ; 0.01,6.5 v1(0.02,6.51) ; 0.01,6.5 v1(0.02,6.51) ; 0.01,6.5 v1(0.02,6.51) ; 0.01,6.5 v1(0.02,6.51) ; 0.01,6.5 v1(0.02,6.51) ; 0.01,6.5 v1(0.02,6.51) ; 0.01,6.5 v1(0.02,6.51) ; 0.01,6.5 v1(0.02,6.51) ; 0.01,6.5 v1(0.02,6.51) ; 0.01,6.5 v1(0.02,6.51) ; 0.01,6.5 v1(0.02,6.51) ; 0.01,6.5 v1(0.02,6.51) ; 0.01,6.5 v1(0.02,6.51) ; 0.01,6.5 v1(0.02,6.51) ; 0.01,6.5 v1(0.02,6.51) ; 0.01,6.5 v1(0.02,6.51) ; 0.01,6.5 v1(0.02,6.51) ; 0.01,6.5 v1(0.02,6.51) ; 0.01,6.5 v1(0.02,6.51) ; 0.01,6.5 v1(0.02,6.51) ; 0.01,6.5 v1(0.02,6.51) ; 0.01,6.5 v1(0.02,6.51) ; 0.01,6.5 v1(0.02,6.51) ; 0.01,6.5 v1(0.02,6.51) ; 0.01,6.5 v1(0.02,6.51) ; 0.01,6.5 v1(0.02,6.51) ; 0.01,6.5 v1(0.02,6.51) ; 0.01,6.5 v1(0.02,6.51) ; 0.01,6.5 v1(0.02,6.51) ; 0.01,6.5 v1(0.02,6.51) ; 0.01,6.5 v1(0.02,6.51) ; 0.01,6.5 v1(0.02,6.51) ; 0.01,6.5 v1(0.02,6.51) ; 0.01,6.5 v1(0.02,6.51) ; 0.01,6.5 v1(0.02,6.51) ; 0.01,6.5 v1(0.02,6.51) ; 0.01,6.5 v1(0.02,6.51) ; 0.01,6.5 v1(0.02,6.51) ; 0.01,6.5 v1(0.02,6.51) ; 0.01,6.5 v1(0.02,6.51) ; 4.16,6.38 3.91,6.13 ; 4.16,6.38 J173.55 ; 4.16,6.38 J173.55 ; 4.16,6.38 J173.55 ; 4.16,6.38 3.91,6.13 ; 4.16,6.38 J173.55 ; 4.16,6.38 J173.55 ; 4.16,6.38 J173.55 ; 4.16,6.38 3.91,6.13 ; 4.16,6.38 3.91,6.13 ; 4.16,6.38 J173.55 ; 4.16,6.38 J173.55 ; 4.16,6.38 J173.55 ; 4.16,6.38 3.91,6.13 ; 4.16,6.38 J173.55 ; 4.16,6.38 J173.55 ; 4.16,6.38 J173.55 ; 4.16,6.38 J173.55 ; 4.16,6.38 J173.55 ; 4.16,6.38 J173.55 ; 4.16,6.38 3.91,6.13 ; 4.16,6.38 3.91,6.13 ; 4.16,6.38 3.91,6.13 ; 4.16,6.38 3.91,6.13 ; 4.16,6.38 J173.55 ; 4.16,6.38 J173.55 ; 4.16,6.38 3.91,6.13 ; 4.16,6.38 J173.55 ; 4.16,6.38 3.91,6.13 ; 4.16,6.38 3.91,6.13 ; 4.16,6.38 J173.55 ; 4.16,6.38 J173.55 ; 4.16,6.38 J173.55 ; 4.16,6.38 J173.55 ; 4.16,6.38 3.91,6.13 ; 4.16,6.38 J173.55 ; 4.16,6.38 3.91,6.13 ; 4.16,6.38 J173.55 ; 4.16,6.38 3.91,6.13 ; 4.16,6.38 3.91,6.13 ; 4.16,6.38 3.91,6.13 ; 4.16,6.38 J173.55 ; 4.16,6.38 3.91,6.13 ; 4.16,6.38 3.91,6.13 ; 4.16,6.38 J173.55 ; 4.16,6.38 3.91,6.13 ; 4.16,6.38 3.91,6.13 ; 4.16,6.38 3.91,6.13 ; 4.16,6.38 3.91,6.13 ; 4.16,6.38 J173.55 ; 4.16,6.38 3.91,6.13 ; 4.16,6.38 3.91,6.13 ; 4.16,6.38 3.91,6.13 ; 4.16,6.38 J173.55 ; 4.16,6.38 3.91,6.13 ; 4.16,6.38 J173.55 ; 4.16,6.38 J173.55 ; 4.16,6.38 J173.55 ; 4.16,6.38 J173.55 ; 4.16,6.38 J173.55 ; 4.16,6.38 3.91,6.13 ; 4.16,6.38 3.91,6.13 ; 4.16,6.38 3.91,6.13 ; 4.16,6.38 J173.55 ; 4.16,6.38 J173.55 ; 4.16,6.38 J173.55 ; 4.16,6.38 3.91,6.13 ; 4.16,6.38 3.91,6.13 ; 4.16,6.38 3.91,6.13 ; 4.16,6.38 J173.55 ; 4.16,6.38 3.91,6.13 ; 4.16,6.38 J173.55 ; 4.16,6.38 J173.55 ; 4.16,6.38 3.91,6.13 ; 4.16,6.38 3.91,6.13 ; 4.16,6.38 J173.55 ; 4.16,6.38 J173.55 ; 4.16,6.38 J173.55 ; 4.16,6.38 3.91,6.13 ; 4.16,6.38 3.91,6.13 ; 4.16,6.38 3.91,6.13 ; 4.16,6.38 3.91,6.13 ; 4.16,6.38 3.91,6.13 ; 4.16,6.38 3.91,6.13 ; 3.91,6.13 3.51,6.13 ; 3.91,6.13 3.51,6.13 ; 3.91,6.13 3.51,6.13 ; 3.91,6.13 3.51,6.13 ; 3.91,6.13 3.51,6.13 ; 3.91,6.13 3.51,6.13 ; 3.91,6.13 3.51,6.13 ; 3.91,6.13 3.51,6.13 ; 3.91,6.13 3.51,6.13 ; 3.91,6.13 3.51,6.13 ; 3.91,6.13 3.51,6.13 ; 3.91,6.13 3.51,6.13 ; 3.91,6.13 3.51,6.13 ; 3.91,6.13 3.51,6.13 ; 3.91,6.13 3.51,6.13 ; 3.91,6.13 3.51,6.13 ; 3.91,6.13 3.51,6.13 ; 3.91,6.13 3.51,6.13 ; 3.91,6.13 3.51,6.13 ; 3.91,6.13 3.51,6.13 ; 3.91,6.13 3.51,6.13 ; 3.91,6.13 3.51,6.13 ; 3.91,6.13 3.51,6.13 ; 3.91,6.13 3.51,6.13 ; 3.91,6.13 3.51,6.13 ; 3.91,6.13 3.51,6.13 ; 3.91,6.13 3.51,6.13 ; 3.91,6.13 3.51,6.13 ; 3.91,6.13 3.51,6.13 ; 3.91,6.13 3.51,6.13 ; 3.91,6.13 3.51,6.13 ; 3.91,6.13 3.51,6.13 ; 3.91,6.13 3.51,6.13 ; 3.91,6.13 3.51,6.13 ; 3.91,6.13 3.51,6.13 ; 3.91,6.13 3.51,6.13 ; 3.91,6.13 3.51,6.13 ; 3.91,6.13 3.51,6.13 ; 3.91,6.13 3.51,6.13 ; 3.91,6.13 3.51,6.13 ; 3.91,6.13 3.51,6.13 ; 3.91,6.13 3.51,6.13 ; 3.33,5.95 0.06,5.95 ; 3.33,5.95 0.06,5.95 ; 3.33,5.95 0.06,5.95 ; 3.33,5.95 3.51,6.13 ; 3.33,5.95 0.06,5.95 ; 3.33,5.95 0.06,5.95 ; 3.33,5.95 0.06,5.95 ; 3.33,5.95 0.06,5.95 ; 3.33,5.95 3.51,6.13 ; 3.33,5.95 3.51,6.13 ; 3.33,5.95 3.51,6.13 ; 3.33,5.95 0.06,5.95 ; 3.33,5.95 3.51,6.13 ; 3.33,5.95 0.06,5.95 ; 3.33,5.95 3.51,6.13 ; 3.33,5.95 3.51,6.13 ; 3.33,5.95 3.51,6.13 ; 3.33,5.95 3.51,6.13 ; 3.33,5.95 0.06,5.95 ; 3.33,5.95 0.06,5.95 ; 3.33,5.95 3.51,6.13 ; 3.33,5.95 3.51,6.13 ; 3.33,5.95 3.51,6.13 ; 3.33,5.95 0.06,5.95 ; 3.33,5.95 0.06,5.95 ; 3.33,5.95 0.06,5.95 ; 3.33,5.95 0.06,5.95 ; 3.33,5.95 0.06,5.95 ; 3.33,5.95 0.06,5.95 ; 3.33,5.95 3.51,6.13 ; 3.33,5.95 3.51,6.13 ; 3.33,5.95 0.06,5.95 ; 3.33,5.95 0.06,5.95 ; 3.33,5.95 3.51,6.13 ; 3.33,5.95 3.51,6.13 ; 3.33,5.95 3.51,6.13 ; 3.33,5.95 0.06,5.95 ; 3.33,5.95 3.51,6.13 ; 3.33,5.95 0.06,5.95 ; 3.33,5.95 0.06,5.95 ; 3.33,5.95 0.06,5.95 ; 3.33,5.95 3.51,6.13 ; 3.33,5.95 0.06,5.95 ; 3.33,5.95 3.51,6.13 ; 3.33,5.95 0.06,5.95 ; 3.33,5.95 3.51,6.13 ; 3.33,5.95 0.06,5.95 ; 3.33,5.95 0.06,5.95 ; 3.33,5.95 3.51,6.13 ; 3.33,5.95 0.06,5.95 ; 3.33,5.95 0.06,5.95 ; 3.33,5.95 3.51,6.13 ; 3.33,5.95 3.51,6.13 ; 3.33,5.95 3.51,6.13 ; 3.33,5.95 0.06,5.95 ; 3.33,5.95 0.06,5.95 ; 3.33,5.95 0.06,5.95 ; 3.33,5.95 0.06,5.95 ; 3.33,5.95 3.51,6.13 ; 3.33,5.95 0.06,5.95 ; 3.33,5.95 3.51,6.13 ; 3.33,5.95 3.51,6.13 ; 3.33,5.95 3.51,6.13 ; 3.33,5.95 3.51,6.13 ; 3.33,5.95 3.51,6.13 ; 3.33,5.95 3.51,6.13 ; 3.33,5.95 0.06,5.95 ; 3.33,5.95 3.51,6.13 ; 3.33,5.95 0.06,5.95 ; 3.33,5.95 3.51,6.13 ; 3.33,5.95 0.06,5.95 ; 3.33,5.95 3.51,6.13 ; 3.33,5.95 3.51,6.13 ; 3.33,5.95 3.51,6.13 ; 3.33,5.95 0.06,5.95 ; 3.33,5.95 0.06,5.95 ; 3.33,5.95 0.06,5.95 ; 3.33,5.95 3.51,6.13 ; 3.33,5.95 3.51,6.13 ; 3.33,5.95 3.51,6.13 ; 3.33,5.95 3.51,6.13 ; 3.33,5.95 0.06,5.95 ; 3.33,5.95 0.06,5.95 ; 3.33,5.95 3.51,6.13